# Altium PCB OPENMV4_BASE.PcbDoc
Units mil, origin at the board's own origin, x right, y up, seen from the top; angles counter-clockwise.
Board outline 1377.95 x 1757.2 mil, 2 copper layers (Top Layer, Bottom Layer); 52 components, 65 nets, 315 pads, 347 vias.
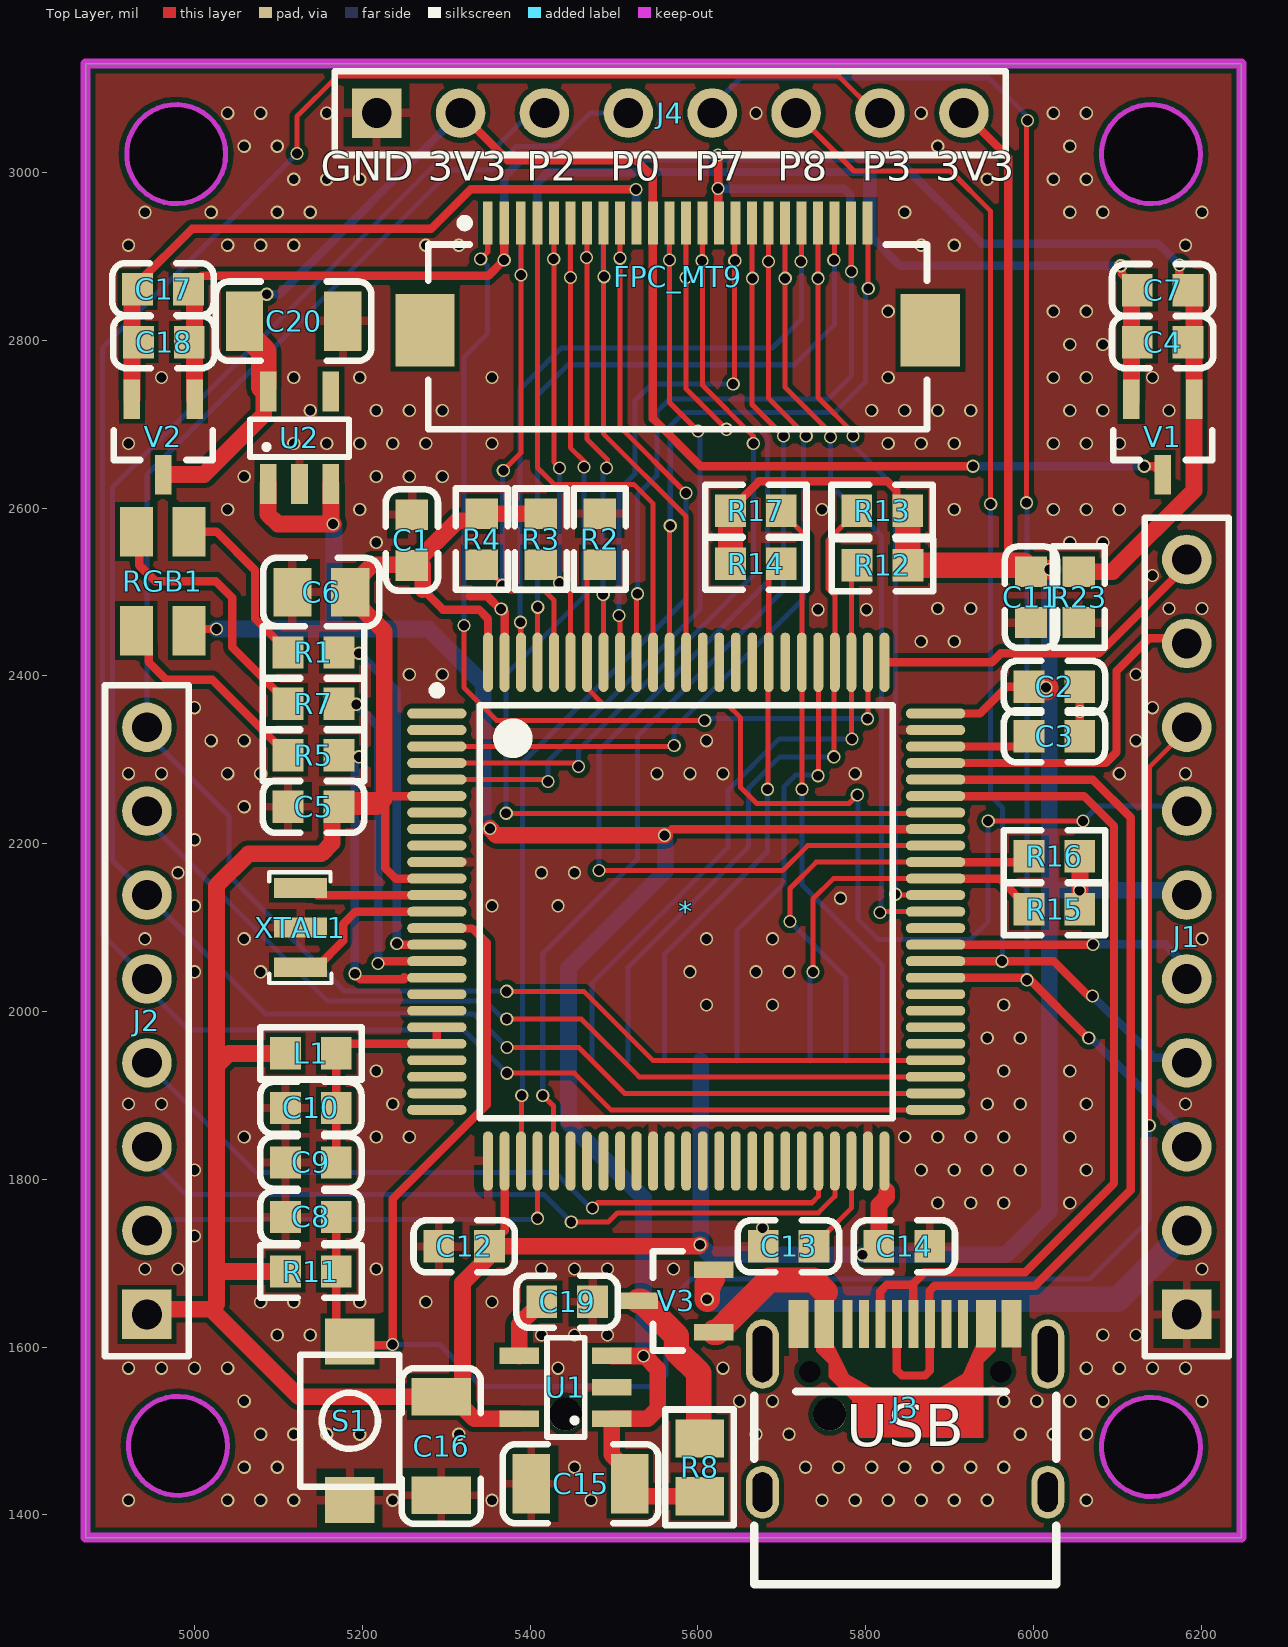
[diagram p0: Top Layer view]
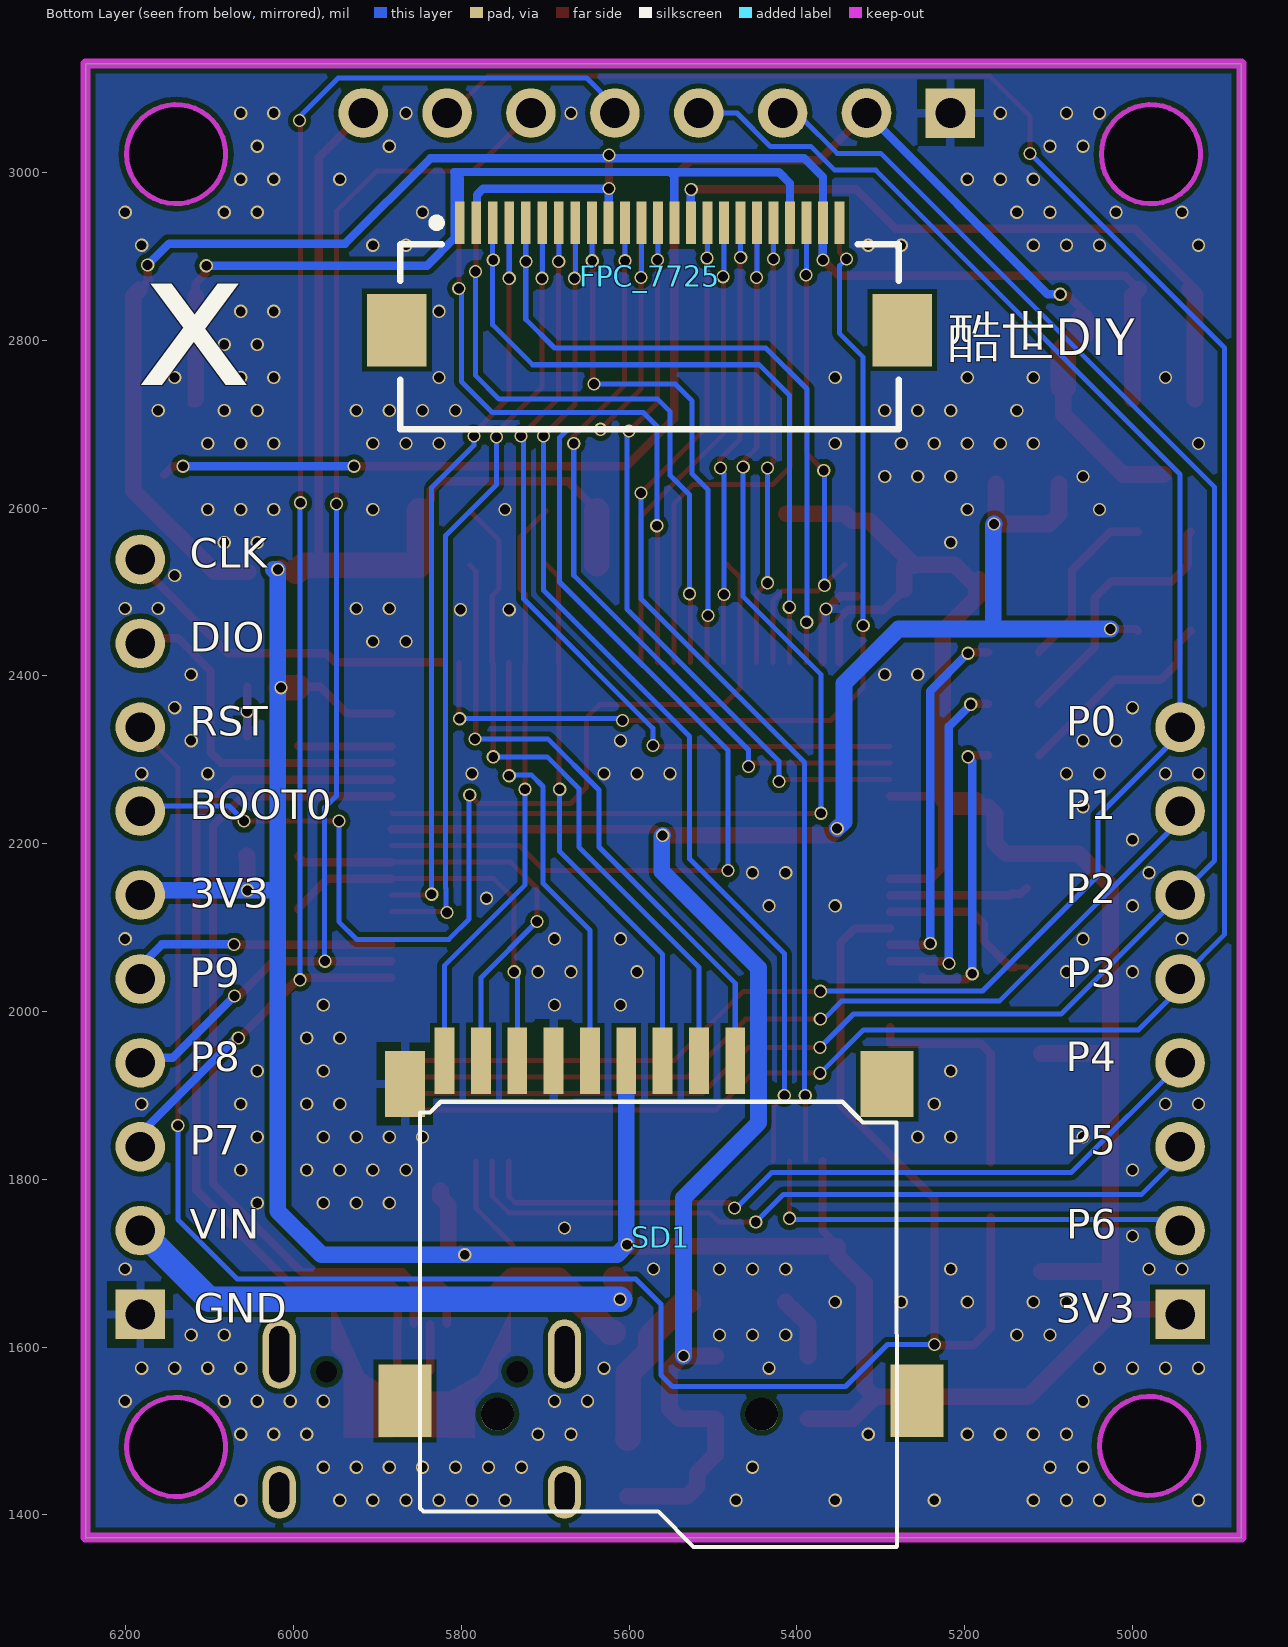
[diagram p1: Bottom Layer view, seen from below]
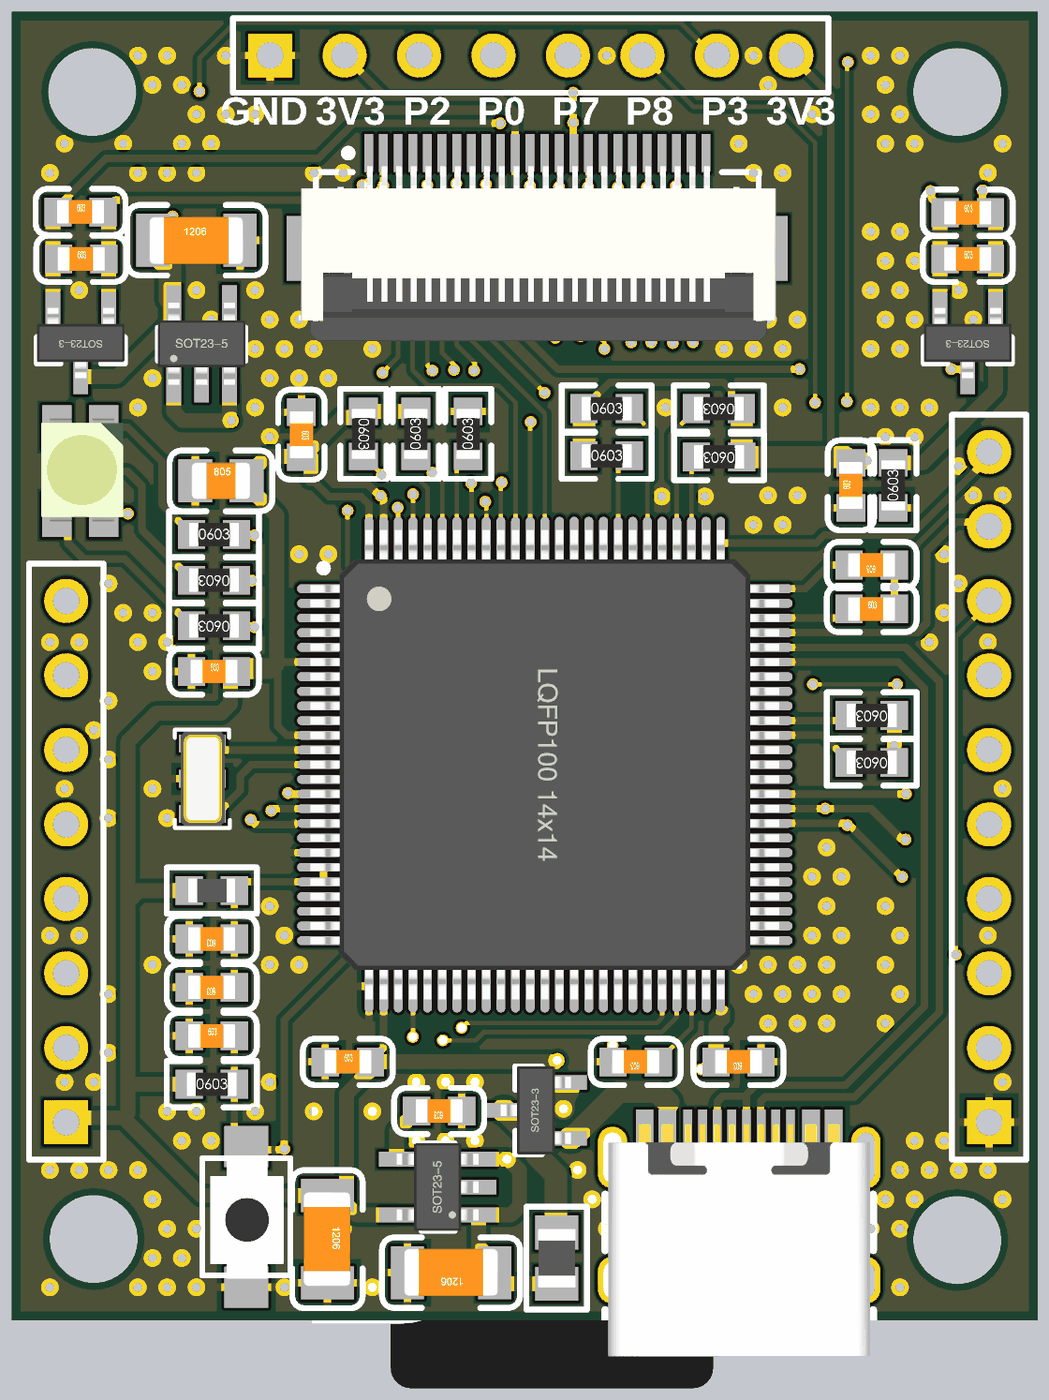
[diagram p2: 3D render of the assembled board from above, using the file's embedded part models]

## Layer stack, top to bottom
Top Solder: solder mask 0.4, Solder Resist, Dk 3.5
Top Layer: signal copper 1.4
Dielectric 1: dielectric 12.6, FR-4, Dk 4.8
Bottom Layer: signal copper 1.4
Bottom Solder: solder mask 0.4, Solder Resist, Dk 3.5

## Board outline
4870,1372.8 6247.95,1372.8 6247.95,3130 4870,3130
cut-out: 4918.94,3022 ccw(c4978,3022) 4978,2962.94 ccw(c4978,3022) 5037.06,3022 ccw(c4978,3022) 4978,3081.06 ccw(c4978,3022)
cut-out: 4920.98,1482.2 ccw(c4980.03,1482.2) 4980.03,1423.15 ccw(c4980.03,1482.2) 5039.09,1482.2 ccw(c4980.03,1482.2) 4980.03,1541.26 ccw(c4980.03,1482.2)
cut-out: 6080.9,1480.8 ccw(c6139.95,1480.8) 6139.95,1421.75 ccw(c6139.95,1480.8) 6199.01,1480.8 ccw(c6139.95,1480.8) 6139.95,1539.86 ccw(c6139.95,1480.8)
cut-out: 6080.9,3022 ccw(c6139.95,3022) 6139.95,2962.94 ccw(c6139.95,3022) 6199.01,3022 ccw(c6139.95,3022) 6139.95,3081.06 ccw(c6139.95,3022)

## Design rules (kind name [scope] priority, off if disabled: settings)
Clearance [All] p1: gap=6 ignorepadtopadclearanceinfootprint=FALSE except(0: Arc-Hole Track-Hole SMDPad-Hole THPad-Hole Via-Hole Fill-Hole Poly-Hole Region-Hole Text-Hole)
PolygonConnect [All] p1: connectstyle=Relief reliefconductorwidth=10 reliefentries=4 polygonreliefangle="90 Angle" airgapwidth=10
RoutingVias [All] p1: holewidth=11.81 width=15.75 viastyle="Through Hole" minholewidth=11.81 minwidth=15.75 maxholewidth=11.81 maxwidth=15.75
SolderMaskExpansion [All] p1: expansion=4 istentingtop=FALSE
Width [All] p1: maxlimit=30 minlimit=6 preferedwidth=10
30 further rules are at their usual default settings.

## Components (designator, comment, footprint, x,y, rotation, side; value= is the part's Value field where it differs from the comment)
* "STM32H743VIT6" "LQFP100 14x14_N" 5586,2119 r270 top
C1 "104" LC-0603_C 5259,2562 r270 top
C2 "104" LC-0603_C 6025,2387 r180 top
C3 "2.2uf" LC-0603_C 6025,2328 r0 top
C4 "104" 0603_C 6154,2798 r0 top
C5 "104" LC-0603_C 5141.66,2244 r0 top
C6 "10uF" LC-0805_C 5151,2500 r0 top
C7 "106" 0603_C 6154,2860 r0 top
C8 "104" LC-0603_C 5138.66,1755 r0 top
C9 "104" LC-0603_C 5138.66,1820 r180 top
C10 "10uF" LC-0603_C 5138.66,1885 r180 top
C11 "104" LC-0603_C 5997,2494 r90 top
C12 "104" LC-0603_C 5321.31,1720 r0 top
C13 "2.2uf" LC-0603_C 5708,1720 r180 top
C14 "104" LC-0603_C 5846,1720 r180 top
C15 "47uF" LC-1206_C 5460,1437 r180 top value=22uF/10V
C16 "47uF" LC-1206_C 5294,1482 r270 top value=22uF/10V
C17 "104" 0603_C 4962.31,2861 r0 top
C18 "106" 0603_C 4963.31,2798 r0 top
C19 "104" LC-0603_C 5444,1654 r180 top
C20 "47uF" LC-1206_C 5118,2823 r0 top value=22uF/10V
FPC_7725 "FPC_24" FPC_24 5576,2808 r180 bottom
FPC_MT9 "FPC_24" FPC_24 5575.4,2807.7 r0 top
J1 "CON10" HDR1X10 6182.73,1638.8 r90 top
J2 "CON8" HDR1X8 4943.13,1638.8 r90 top
J3 "USB type C" "USB Type-C-16Pin_A" 5847,1427 r0 top
J4 "Header 10" HDR1X8 5217,3071 r0 top
L1 "180nH" LC-0603_L 5138.66,1950 r0 top
R1 "1K" 0603_R 5141.66,2428.02 r0 top value=300R
R2 "10K" LC-0603_R 5483,2563 r90 top
R3 "10K" LC-0603_R 5412.67,2563 r90 top
R4 "10K" LC-0603_R 5342.33,2563 r270 top
R5 "1K" 0603_R 5141.66,2305.34 r180 top value=300R
R7 "1K" 0603_R 5141.66,2366.68 r180 top value=300R
R8 "1A保险丝" LC-0805_L 5602,1456.45 r90 top value=1000MA
R11 "10K" LC-0603_R 5138.66,1690 r0 top
R12 "10K" LC-0603_R 5820,2532 r180 top
R13 "10K" LC-0603_R 5819.69,2597 r180 top
R14 "10K" LC-0603_R 5669,2533.67 r0 top
R15 "10K" LC-0603_R 6025,2122 r180 top
R16 "10K" LC-0603_R 6025,2185 r180 top
R17 "10K" LC-0603_R 5669,2597 r0 top
R23 "0" LC-0603_R 6054,2494 r90 top
RGB1 "RGB_LED" LED_3528_RGB 4962,2513 r270 top
S1 "RST" KEY_1 5185,1512 r90 top
SD1 "micro SD" TF卡座 5572.11,1651.26 r270 bottom
U1 "MIC5219" SOT23-5N 5442,1552 r90 top
U2 "MIC5219" SOT23-5N 5125,2684 r0 top
V1 "XC6206 2V8" SOT23-3N 6154,2685 r180 top
V2 "XC6206 1V5" SOT23-3N 4962.72,2685 r180 top
V3 "BAT54C" SOT23-3N 5574,1655 r90 top
XTAL1 "12M" XTAL-3215-3P 5126,2100 r270 top

## Footprints (in the part's own frame and the unit in brackets; to place one, negate y for a bottom-side part, rotate by r counter-clockwise, add the part's x,y. Pads: shape width x height; smd on the part's side, far side on the other; paste and mask are expansions set on the pad)
0603_C [mm]
  rect 0.93x0.98 smd: 1(-0.77,0) 2(0.77,0)
  silkscreen extent -1.53,-0.79 1.54,0.79, body extent -0.8,-0.4 0.8,0.4, height 0.3
0603_R [mm]
  rect 0.93x0.98 smd: 1(-0.77,0) 2(0.77,0)
  silkscreen extent -1.53,-0.79 1.54,0.79, body extent -0.85,-0.4 0.85,0.4, height 0.56
FPC_24 [mm]
  rect 0.3x1.3 smd: 1(-5.739,3.359) 2(-5.239,3.359) 3(-4.739,3.359) 4(-4.239,3.359) 5(-3.739,3.359) 6(-3.239,3.359) 7(-2.739,3.359) 8(-2.239,3.359) 9(-1.739,3.359) 10(-1.239,3.359) 11(-0.739,3.359) 12(-0.239,3.359) 13(0.261,3.359) 14(0.761,3.359) 15(1.261,3.359) 16(1.761,3.359) 17(2.261,3.359) 18(2.761,3.359) 19(3.261,3.359) 20(3.761,3.359) 21(4.261,3.359) 22(4.761,3.359) 23(5.261,3.359) 24(5.761,3.359)
  rect 1.8x2.2 smd: 25(-7.639,0.109) 26(7.661,0.109)
  silkscreen extent -7.54,-2.89 7.56,3.48, body extent -8.05,-3.05 8.15,2.95, height 2
HDR1X8 [mm] "Connector; Header; 8 Position"
  rect 1.5x1.5 hole 0.9: 1(0,0)
  round 1.5 hole 0.9: 2(2.54,0) 3(5.08,0) 4(7.62,0) 5(10.16,0) 6(12.7,0) 7(15.24,0) 8(17.78,0)
  silkscreen extent -1.27,-1.27 19.05,1.27
HDR1X10 [mm] "Connector; Header; 10 Position"
  rect 1.5x1.5 hole 0.9: 1(0,0)
  round 1.5 hole 0.9: 2(2.54,0) 3(5.08,0) 4(7.62,0) 5(10.16,0) 6(12.7,0) 7(15.24,0) 8(17.78,0) 9(20.32,0) 10(22.86,0)
  silkscreen extent -1.27,-1.27 24.13,1.27
KEY_1 [mm]
  rect 1.4x1.5 smd: 1(-2.4,0) 2(2.4,0)
  silkscreen extent -2.01,-1.5 2,1.5, body extent -2.11,-1.28 1.89,1.22, height 1.6
LC-0603_C [mm]
  rect 0.93x0.98 smd: 1(-0.77,0) 2(0.77,0)
  silkscreen extent -1.53,-0.79 1.54,0.79, body extent -0.8,-0.4 0.8,0.4, height 0.3
LC-0603_L [mm]
  rect 0.93x0.98 smd: 1(-0.77,0) 2(0.77,0)
  silkscreen extent -1.53,-0.79 1.54,0.79, body extent -0.82,-0.41 0.83,0.41, height 0.46
LC-0603_R [mm]
  rect 0.93x0.98 smd: 1(-0.77,0) 2(0.77,0)
  silkscreen extent -1.53,-0.79 1.54,0.79, body extent -0.85,-0.4 0.85,0.4, height 0.56
LC-0805_C [mm]
  rect 1.16x1.47 smd: 1(-0.875,0) 2(0.875,0)
  silkscreen extent -1.76,-1.04 1.76,1.04, body extent -1,-0.62 1,0.63, height 0.77
LC-0805_L [mm]
  rect 1.16x1.47 smd: 1(-0.875,0) 2(0.875,0)
  silkscreen extent -1.76,-1.04 1.76,1.03, body extent -1.02,-0.64 1.03,0.64, height 0.6
LC-1206_C [mm]
  rect 1.13x1.8 smd: 1(-1.49,0) 2(1.49,0)
  silkscreen extent -2.36,-1.2 2.35,1.2, body extent -1.6,-0.81 1.6,0.79, height 1
LED_3528_RGB [mm]
  rect 1.5x1 smd: 1(1.5,-0.8) 2(-1.5,-0.8) 3(-1.5,0.8) 4(1.5,0.8)
  body extent -1.79,-1.34 1.71,1.46, height 1.9
"LQFP100 14x14_N" [mm] "100脚，体宽14x14mm，脚距0.5mm"
  oval 0.3x1.8 smd: 1(-6,-7.55) 2(-5.5,-7.55) 3(-5,-7.55) 4(-4.5,-7.55) 5(-4,-7.55) 6(-3.5,-7.55) 7(-3,-7.55) 8(-2.5,-7.55) 9(-2,-7.55) 10(-1.5,-7.55) 11(-1,-7.55) 12(-0.5,-7.55) 13(0,-7.55) 14(0.5,-7.55) 15(1,-7.55) 16(1.5,-7.55) 17(2,-7.55) 18(2.5,-7.55) 19(3,-7.55) 20(3.5,-7.55) 21(4,-7.55) 22(4.5,-7.55) 23(5,-7.55) 24(5.5,-7.55) 25(6,-7.55) 51(6,7.55) 52(5.5,7.55) 53(5,7.55) 54(4.5,7.55) 55(4,7.55) 56(3.5,7.55) 57(3,7.55) 58(2.5,7.55) 59(2,7.55) 60(1.5,7.55) 61(1,7.55) 62(0.5,7.55) 63(0,7.55) 64(-0.5,7.55) 65(-1,7.55) 66(-1.5,7.55) 67(-2,7.55) 68(-2.5,7.55) 69(-3,7.55) 70(-3.5,7.55) 71(-4,7.55) 72(-4.5,7.55) 73(-5,7.55) 74(-5.5,7.55) 75(-6,7.55)
  oval 1.8x0.3 smd: 26(7.55,-6) 27(7.55,-5.5) 28(7.55,-5) 29(7.55,-4.5) 30(7.55,-4) 31(7.55,-3.5) 32(7.55,-3) 33(7.55,-2.5) 34(7.55,-2) 35(7.55,-1.5) 36(7.55,-1) 37(7.55,-0.5) 38(7.55,0) 39(7.55,0.5) 40(7.55,1) 41(7.55,1.5) 42(7.55,2) 43(7.55,2.5) 44(7.55,3) 45(7.55,3.5) 46(7.55,4) 47(7.55,4.5) 48(7.55,5) 49(7.55,5.5) 50(7.55,6) 76(-7.55,6) 77(-7.55,5.5) 78(-7.55,5) 79(-7.55,4.5) 80(-7.55,4) 81(-7.55,3.5) 82(-7.55,3) 83(-7.55,2.5) 84(-7.55,2) 85(-7.55,1.5) 86(-7.55,1) 87(-7.55,0.5) 88(-7.55,0) 89(-7.55,-0.5) 90(-7.55,-1) 91(-7.55,-1.5) 92(-7.55,-2) 93(-7.55,-2.5) 94(-7.55,-3) 95(-7.55,-3.5) 96(-7.55,-4) 97(-7.55,-4.5) 98(-7.55,-5) 99(-7.55,-5.5) 100(-7.55,-6)
  silkscreen extent -6.82,-7.67 6.25,6.25, body extent -8,-8 8,8, height 1.45
SOT23-3N [mm] "3x1.3x1mm(长宽高)"
  rect 0.5x1.2 smd: 1(-0.95,-1.143) 2(0.95,-1.143) 3(0,1.143)
  silkscreen extent -1.5,-0.2 1.5,0.7, body extent -1.5,-1.2 1.5,1.2, height 1.05
SOT23-5N [mm] "3x1.6x1.1mm(长宽高)"
  rect 0.5x1.2 smd: 1(-0.95,-1.4) 2(0,-1.4) 3(0.95,-1.4) 4(0.95,1.4) 5(-0.95,1.4)
  silkscreen extent -1.5,-0.58 1.5,0.56, body extent -1.5,-1.4 1.5,1.4, height 1.15
TF卡座 [mm]
  round 1 hole 1 unplated: 0(3.334,-4.696) 0(3.334,3.305)
  rect 2x0.6 smd: 1(-7.366,2.505) 2(-7.366,1.405) 3(-7.366,0.305) 4(-7.366,-0.795) 5(-7.366,-1.895) 6(-7.366,-2.995) 7(-7.366,-4.095) 8(-7.366,-5.195) 9(-7.366,-6.295)
  rect 2x1.2 smd: 10(-6.666,-7.495)
  rect 2.2x1.6 smd: 11(2.934,-7.495) 12(2.934,8.005)
  rect 2x1.6 smd: 13(-6.666,7.105)
  silkscreen extent -6.12,-7.04 7.35,7.4, body extent -7.82,-7.8 9.38,8.3, height 3.2
"USB Type-C-16Pin_A" [mm]
  round 0 hole 0.65: 0(-2.89,3.65) 0(2.89,3.65)
  oval 1x1.6 hole 0.6 slot 1.2 at 90 deg: 1(-4.32,0) 1(4.32,0)
  oval 1x2.1 hole 0.6 slot 1.7 at 90 deg: 1(-4.32,4.18) 1(4.32,4.18)
  rect 0.3x1.45 smd: A1(-3.375,5.092) A4(-2.6,5.092) A5(-1.25,5.092) A6(-0.25,5.092) A7(0.25,5.092) A8(-1.75,5.092) A9(2.6,5.1) A12(3.375,5.1) B1(3.075,5.1) B4(2.3,5.1) B5(1.75,5.092) B6(0.75,5.092) B7(-0.75,5.092) B8(1.25,5.092) B9(-2.3,5.092) B12(-3.075,5.092)
  silkscreen extent -4.57,-2.79 4.57,3.05, body extent -4.47,-2.6 4.47,5.3, height 3.25
XTAL-3215-3P [mm]
  rect 0.6x1.6 smd: 1(-1.2,0) 2(0,0) 3(1.2,0)
  silkscreen extent -1.68,-0.94 1.68,0.94, body extent -1.6,-0.74 1.6,0.76, height 0.9

## Part data
C1 C2 C3 C4 C5 C6 C7 C8 C9 C10 C11 C12 C13 C14 C17 C18: library part CAP
C15 C16 C20: library part "Cap Pol1", "Polarized Capacitor (Radial)", LatestRevisionDate=17-Jul-2002, LatestRevisionNote="Re-released for DXP Platform.", PackageReference=RB7.6-15, Published=8-Jun-2000, Publisher="Altium Limited"
C19: library part CAP104
J3: library part USB_C
J4: "Header, 10-Pin"
L1: library part Inductor
R1 R5 R7 R8: library part Res2, "Resistor", LatestRevisionDate=17-Jul-2002, LatestRevisionNote="Re-released for DXP Platform.", PackageReference=AXIAL-0.4, Published=8-Jun-2000, Publisher="Altium Limited"
R2 R3 R4 R11 R12 R13 R14 R15 R16 R17 R23: library part RES
RGB1: "三色高亮LED"
S1: library part SW-PB, "Switch", LatestRevisionDate=17-Jul-2002, LatestRevisionNote="Re-released for DXP Platform.", PackageDescription="Switch; 2 Leads", PackageReference=SPST-2, Published=24-Mar-1999, Publisher="Altium Limited"
U1 U2: "3.3V 降压芯片"
V1 V2: library part XC6206P332MR, "低压差线性稳压芯片", BOM名称=低压差线性稳压芯片, 学习资源=www.ooocke.com, 版权归属=源创客
XTAL1: library part XTAL_3P

## Via types
v1: diameter 15.75, hole 11.81, Top Layer to Bottom Layer, 347 vias

## Nets (pads, with @x,y where several pads share a name; then routed paths per layer and width w, separated by ;. In a path a pad name is that pad's centre, name@x,y a point inside that pad or via, vN(x,y) a via of type N, cw(c..) or ccw(c..) an arc to the next point about the centre after c; other vN are vias at no path point)
1V5: C17.1 C18.1 FPC_7725.15 V2.2 | length 821.1
  Top Layer w10: C17.1 4932,2868.14 4996.86,2933 5282,2933 5329,2980 v1(5526,2980)
  Top Layer w20: V2.2 4925.47,2730.16 4925.47,2854.47 C17.1
  Bottom Layer w10: v1(5526,2980) 5526.37,2979.63 FPC_7725.15
2V8: C4.1 C7.1 FPC_7725.1 FPC_7725.14 FPC_7725.21 V1.2 | length 1138
  Top Layer w10: v1(6104,2889) 6105.1,2887.9 6105.1,2879.57 6116.76,2867.91 C7.1@6116.76,2853.07 ; V1.2 V1.2@6121.44,2725.16
  Top Layer w20: V1.2 6116.76,2730.16 C7.1@6116.76,2853.07
  Bottom Layer w10: FPC_7725.21 5408.26,2987.26 5421.43,3000.43 5550.43,3000.43 ; FPC_7725.14@5546.53,2939.78 FPC_7725.14 5546.06,2996.06 5550.43,3000.43 ; FPC_7725.1 5801.96,2993.96 5808,3000 ; v1(6104,2889) 5841,2889 5808,2922 5808,3000 ; 5550.43,3000.43 5550.76,3000.76 5808.76,3000.76 5808,3000
3V3: *.6 *.11 *.27 *.50 *.75 *.100 C1.2 C2.2 C5.2 C6.2 C11.2 C12.2 C14.2 C16.1 J1.6 J2.1 J4.8 L1.1 R3.2 R4.1 R11.1 R12.1 R13.1 R14.1 R15.1 R16.1 R17.1 SD1.4 U1.5 | length 6010.6
  Top Layer w6: v1(5796,1710) 5796,1713.52 5801.08,1718.6 5807.69,1712 C14.2
  Top Layer w10: C5.2 5184.77,2256.79 5226,2256.79 *.6 ; 5226,2253 5227,2252 5227,2171 5239.64,2158.36 *.11 ; 5272,2503 5296,2479 5339,2479 5349.78,2468.22 *.100 ; C12.2 5351.63,1720.98 5369.46,1738.82 *.27 ; R17.1 5638.69,2597.98 5672.7,2632 5826,2632 5836.69,2621.31 5836.69,2610.31 R13.1 ; *.75 5936.21,2355.21 5968,2387 C2.2 ; J4.8 5970,3018 5970,2532
  Top Layer w20: J2.1@4926,1645 5020,1645 ; R11.1 5028,1690 5026,1692 ; L1.1 5041,1950 5026,1935 ; C6.2@5183,2496.35 5226,2453.35 5226,2256.79 ; C6.2@5183,2515 5183,2502.45 C6.2 ; C6.2@5185.45,2506.1 5212.03,2532.68 C1.2@5260.98,2532.68 ; 5226,2253 5217,2244 C5.2 5163.67,2235.69 5163.67,2200.67 5151,2188 5064,2188 5026,2150 5026,1935 ; C1.2 5259.98,2531.68 C1.2@5260.98,2532.68 ; 5272,2503 C1.2@5272,2531.68 ; U1.5 5333.25,1514.6 C16.1@5307.19,1540.66 ; R3.2 R4.1 5334.03,2585.01 5313.31,2585.01 C1.2@5260.98,2532.68 ; v1(5602.58,1721.97) 5600.62,1720 C12.2 5351.63,1708.63 5319.43,1676.43 5319.43,1552.91 C16.1@5307.19,1540.66 ; C14.2 5815.69,1769.29 5825,1778.61 5825,1786 ; C11.2 5997.69,2525 6018.71,2525 C11.2@6015,2528.71 ; v1@6055.31,2144.4 R16.1 R16.1@6056,2185.69 ; J1.6@6179.73,2145.59 J1.6@6182.73,2145.59 ; 5020,1645 5026,1651 5026,1692 ; 5020,1645 5124.34,1540.66 C16.1 C16.1@5307.19,1540.66 ; 5026,1692 5026,1935
  Top Layer w30: R14.1 R17.1 ; R13.1 5850.16,2596.84 5850.16,2532.16 R12.1 5970,2532 5988.33,2532 5996.02,2524.32 C11.2 ; C2.2 5995.69,2386 v1(6015,2386)
  Bottom Layer w20: SD1.4 5603.42,1722.8 v1(5602.58,1721.97) 5614.55,1710 v1(5796,1710) 5967,1710 6018.78,1761.78 6018.78,2144.4 ; v1@6024.03,2527.03 v1(6018.78,2527.03) 6018.78,2144.4 ; J1.6@6192,2145 6191.4,2144.4 v1(6055,2144.4) 6018.78,2144.4
3V3_SENSOR: C20.1 FPC_MT9.11 J4.2 U2.5 V1.3 V2.3 | length 1822.8
  Top Layer w10: C20.1 5059.34,2836.19 5076.58,2853.43 5082.88,2853.43 5084.44,2855 v1(5086,2855) ; J4.2 5373,3015 5526,3015 5546.29,2994.71 FPC_MT9.11 5546.29,2706.71 5603,2650 v1(5928,2650) ; v1(6132,2650) 6144,2650 V1.3
  Top Layer w20: V2.3 5011,2640 5082.44,2711.44 U2.5@5082.44,2744.28
  Top Layer w30: C20.1 5059.34,2809.81 5082.44,2786.71 U2.5@5082.44,2744.28
  Bottom Layer w10: v1(5086,2855) 5101,2855 J4.2 ; v1(5928,2650) v1(6132,2650)
5V_IN: J3.A4 J3.A9 J3.B4 J3.B9 V3.1 | length 164.6
  Top Layer w30: V3.1 5622.51,1617.6 5647,1642.09 ; 5647,1642.13 5684.57,1679.71 5737.84,1679.71 5752.02,1665.53
ALL_IN: R8.2 V3.3 | length 196.4
  Top Layer w30: V3.3 5532.46,1655 5574.38,1613.09 5574.38,1595.46 5601,1568.84 5601,1491.9 R8.2
BOOT0: *.94 J1.7 R2.1 | length 1280.9
  Top Layer w6: R2.1 5467.89,2517.57 *.94 5467.89,2385.32 5487.21,2366 5635,2366 5651,2350 5651,2267 5670,2248 5780,2248 v1(5790,2258) ; v1(5946,2227) v1(6059,2227)
  Bottom Layer w6: v1(5790,2258) 5791,2257 5791,2110 5815,2086 5925,2086 5946,2107 v1(5946,2227) ; v1(6059,2227) 6077,2245 J1.7@6192,2245
DAC: *.29 J2.2 | length 554.6
  Top Layer w6: v1(5408.67,1753.39) 5408.83,1753.56 *.29
  Bottom Layer w6: J2.2@4926,1745 4933.13,1752.13 5407.41,1752.13 v1(5408.67,1753.39)
"DCMI CLK": *.67 FPC_7725.12 FPC_MT9.13 | length 1397.2
  Top Layer w6: v1(5482,2168) 5701,2168 5730.73,2197.73 *.67 ; FPC_MT9.13 5585.66,2742.34 v1(5634,2694)
  Bottom Layer w6: v1(5482,2168) 5482,2311 5682.87,2511.87 5682.87,2683.99 5672.86,2694 v1(5634,2694) ; FPC_7725.12 5585.43,2875.57 v1(5586,2875)
"DCMI D0": *.63 FPC_7725.6 FPC_MT9.19 | length 1003.3
  Top Layer w6: FPC_MT9.19 5703.77,2744.23 5758,2690 v1(5758,2685) ; v1(5817.06,2118.1) 5817.96,2119 *.63
  Bottom Layer w6: FPC_7725.6 5703.54,2874.46 v1(5704,2874) ; v1(5758,2685) 5758,2628.01 5818.87,2567.13 5818.87,2147.11 5818.48,2146.72 5818.48,2119.52 v1(5817.06,2118.1)
"DCMI D1": *.64 FPC_7725.4 FPC_MT9.21 | length 953
  Top Layer w6: FPC_MT9.21 5743.14,2731.86 5785,2690 v1(5785,2686) ; v1(5835.36,2139.73) 5836.41,2138.68 *.64
  Bottom Layer w6: FPC_7725.4 5742.91,2874.09 v1(5743,2874) ; v1(5785,2686) 5785,2675 5835.36,2624.64 v1(5835.36,2139.73)
"DCMI D2": *.97 FPC_7725.3 FPC_MT9.22 | length 873
  Top Layer w6: *.97 5408.83,2481.83 v1(5409,2482) ; v1(5762,2896) 5762.83,2896.83 FPC_MT9.22
  Bottom Layer w6: v1(5409,2482) 5409,2735 5445,2771 5715,2771 5762.59,2818.59 FPC_7725.3
"DCMI D3": *.98 FPC_7725.5 FPC_MT9.20 | length 857.1
  Top Layer w6: v1(5388.34,2464) 5388.74,2463.59 5388.74,2416.64 *.98 ; v1(5723,2894) 5723.46,2894.46 FPC_MT9.20
  Bottom Layer w6: v1(5388.34,2464) 5388,2464.34 5388,2742 5437,2791 5689,2791 5723.22,2825.22 FPC_7725.5
"DCMI D4": *.3 FPC_7725.7 FPC_MT9.18 | length 1036.3
  Top Layer w6: *.3 5570.28,2315.84 v1(5571.67,2317.24) ; FPC_MT9.18 5684.09,2730.91 v1(5729,2686)
  Bottom Layer w6: v1(5571.67,2317.24) 5571.67,2337.67 5725.87,2491.87 5725.87,2682.87 v1(5729,2686) ; FPC_7725.7 5683.85,2894.15 v1(5684,2894)
"DCMI D5": *.92 FPC_7725.9 FPC_MT9.16 | length 684
  Top Layer w6: v1(5506,2472) 5507.26,2470.74 *.92 ; v1(5642,2748) 5643.36,2749.36 5643.36,2938.59 FPC_MT9.16
  Bottom Layer w6: v1(5506,2472) 5506,2622 5525,2641 5525,2728 5545,2748 v1(5642,2748) ; v1(5644,2895) 5644.48,2895.48 FPC_7725.9
"DCMI D6": *.4 FPC_7725.11 FPC_MT9.14 | length 979
  Top Layer w6: *.4 5453.54,2296.16 v1(5457.77,2291.93) ; FPC_MT9.14 5605.35,2746.52 5666,2685.86 v1(5666,2677)
  Bottom Layer w6: v1(5457.77,2291.93) 5457.77,2311.77 5666,2520 v1(5666,2677) ; v1(5605,2895) 5605.11,2895.11 FPC_7725.11 FPC_7725.11@5607.62,2937.75
"DCMI D7": *.5 FPC_7725.13 FPC_MT9.12 | length 935.3
  Top Layer w6: *.5 5418.88,2276.47 v1(5421.3,2274.06) ; FPC_MT9.12 5565.98,2726.02 v1(5600,2692)
  Bottom Layer w6: v1(5421.3,2274.06) 5421.3,2298.3 5602.59,2479.59 5602.59,2689.41 v1(5600,2692) ; FPC_7725.13@5564.87,2939.38 FPC_7725.13 5565.74,2896.26 v1(5566,2896)
"DCMI HSYNC": *.28 FPC_7725.16 FPC_MT9.9 | length 1274.6
  Top Layer w6: *.28 5389.57,1822.17 5389.57,1899.57 v1(5390,1900) ; FPC_MT9.9 5506.92,2696.96 v1(5585.71,2618.17)
  Bottom Layer w6: v1(5390,1900) 5390.73,1900.73 5390.73,2296.73 5585.71,2491.71 v1(5585.71,2618.17) ; FPC_7725.16 5506.69,2898.31 v1(5507,2898)
"DCMI PCLK": *.30 FPC_7725.8 FPC_MT9.17 | length 1324.9
  Top Layer w6: v1(5415,1900) 5427.76,1887.24 5427.76,1822.51 *.30 ; FPC_MT9.17 5664.4,2723.6 v1(5702,2686)
  Bottom Layer w6: v1(5415,1900) 5415,2069 5528,2182 5528,2328 5702,2502 v1(5702,2686) ; FPC_7725.8 5664.17,2874.83 v1(5665,2874)
"DCMI PWDN": *.88 FPC_7725.17 FPC_MT9.8 | length 629.3
  Top Layer w6: FPC_MT9.8 5487.24,2688.76 5586,2590 *.88
  Bottom Layer w6: FPC_7725.17 5487,2877 v1(5488,2876)
"DCMI RST": *.69 FPC_7725.19 FPC_MT9.6 | length 1327.3
  Top Layer w6: v1(5371.42,2236.29) 5371.71,2236 5882.14,2236 *.69 ; FPC_MT9.6 5447.87,2672.13 5465.01,2654.99 5465.01,2650.01 v1(5464,2649)
  Bottom Layer w6: v1(5371.42,2236.29) 5371.42,2402 5464,2494.58 v1(5464,2649) ; FPC_7725.19 5447.63,2875.37 v1(5448,2875)
"DCMI VSYNC": *.93 FPC_7725.18 FPC_MT9.7 | length 577.5
  Top Layer w6: FPC_MT9.7 5467.55,2682.45 5492,2658 5492,2649 v1(5491,2648) ; v1(5487,2497) 5487.57,2496.43 *.93
  Bottom Layer w6: v1(5467,2899) 5467.32,2899.32 FPC_7725.18 ; v1(5487,2497) 5487,2641.36 5491,2645.36 v1(5491,2648)
DGND: C4.2 C7.2 C17.2 C18.2 FPC_7725.2 FPC_7725.10 FPC_7725.23 FPC_MT9.2 FPC_MT9.15 R23.2 V1.1 V2.1 | length 2306.4
  Top Layer w10: C17.2 5008.63,2877 5350,2877 v1(5369,2896) 5369.13,2896.13 FPC_MT9.2 ; v1(5624,3021) v1(5624,2980.99) 5624,2940.98 FPC_MT9.15 ; v1(6173.95,2889.95) 6173.95,2874.26 6172,2872.32 C7.2
  Top Layer w20: C17.2 4999.96,2853.67 4999.96,2730.16 V2.1 ; R23.2 6094.41,2524.32 6191.24,2621.15 6191.24,2853.07 C7.2
  Bottom Layer w10: v1(5369,2896) 5368.95,2896.05 5368.95,2940.2 FPC_7725.23 5368.89,2994.89 5391,3017 5837,3017 5938.55,2915.45 6148.45,2915.45 v1(6173.95,2889.95) ; FPC_7725.10 5624.4,2940.65 5624.4,2980.59 v1(5624,2980.99) 5774,2981 5781.37,2973.63 5781.37,2941.16 FPC_7725.2
GND: *.10 *.19 *.26 *.36 *.49 *.74 *.99 C1.1 C2.1 C3.2 C5.1 C6.1 C8.1 C9.2 C10.2 C11.1 C12.1 C13.2 C14.1 C15.2 C16.2 C19.1 C20.2 J1.1 J3.A1 J3.A12 J3.B1 J3.B12 J4.1 R2.2 R23.1 S1.1 SD1.6 SD1.10 U1.2 U2.2 XTAL1.2 | length 168.3
  Top Layer w10: 5327.78,2495 5348.86,2495 5363.89,2479.97 v1(5365.44,2479.97) 5369.46,2475.95 *.99 ; C3.2 v1(6055.31,2357.5) C2.1
  other v1: 4921.26,1417.32 5039.37,1417.32 5078.74,1417.32 5118.11,1417.32 5236.22,1417.32 5354.33,1417.32 5472.44,1417.32 5748.03,1417.32 5787.4,1417.32 5826.77,1417.32 5866.14,1417.32 5905.52,1417.32 5944.89,1417.32 6063,1417.32 5059.06,1456.69 5098.43,1456.69 5452.76,1456.69 5728.35,1456.69 5767.72,1456.69 5807.09,1456.69 5846.46,1456.69 5885.83,1456.69 5925.2,1456.69 5964.57,1456.69 5078.74,1496.06 5118.11,1496.06 5157.48,1496.06 5196.85,1496.06 5314.96,1496.06 5669.29,1496.06 5708.66,1496.06 5984.26,1496.06 6023.63,1496.06 6063,1496.06 5059.06,1535.43 5649.61,1535.43 5688.98,1535.43 5964.57,1535.43 6003.94,1535.43 6043.31,1535.43 6082.68,1535.43 6200.79,1535.43 4921.26,1574.8 4960.63,1574.8 5000,1574.8 5039.37,1574.8 5433.07,1574.8 5629.92,1574.8 6063,1574.8 6102.37,1574.8 6141.74,1574.8 6181.11,1574.8 5098.43,1614.17 5137.8,1614.17 5413.39,1614.17 5452.76,1614.17 5492.13,1614.17 6082.68,1614.17 6122.05,1614.17 5078.74,1653.54 5118.11,1653.54 5196.85,1653.54 5275.59,1653.54 5354.33,1653.54 4940.95,1692.91 4980.32,1692.91 5216.54,1692.91 5413.39,1692.91 5452.76,1692.91 5492.13,1692.91 5570.87,1692.91 6200.79,1692.91 5000,1732.28 5677,1742 5885.83,1771.65 5925.2,1771.65 5964.57,1771.65 6043.31,1771.65 5000,1811.02 5866.14,1811.02 5905.52,1811.02 5944.89,1811.02 5984.26,1811.02 6063,1811.02 5059.06,1850.39 5216.54,1850.39 5255.91,1850.39 5846.46,1850.39 5885.83,1850.39 5925.2,1850.39 5964.57,1850.39 6043.31,1850.39 4921.26,1889.76 4960.63,1889.76 5236.22,1889.76 5944.89,1889.76 5984.26,1889.76 6063,1889.76 6181.11,1889.76 5216.54,1929.13 5964.57,1929.13 6043.31,1929.13 5944.89,1968.51 5984.26,1968.51 5610.24,2007.88 5688.98,2007.88 5964.57,2007.88 5000,2047.25 5078.74,2047.25 5590.55,2047.25 5669.29,2047.25 5708.66,2047.25 4940.95,2086.62 5059.06,2086.62 5610.24,2086.62 5688.98,2086.62 6200.79,2086.62 5000,2125.99 5354.33,2125.99 5433.07,2125.99 5770,2135 4980.32,2165.36 5413.39,2165.36 5452.76,2165.36 5000,2204.73 5059.06,2244.1 4921.26,2283.47 4960.63,2283.47 5039.37,2283.47 5078.74,2283.47 5551.18,2283.47 5590.55,2283.47 5629.92,2283.47 5787.4,2283.47 6102.37,2283.47 6181.11,2283.47 5019.69,2322.84 5059.06,2322.84 5610.24,2322.84 6122.05,2322.84 5000,2362.21 6141.74,2362.21 5255.91,2401.58 5295.28,2401.58 6122.05,2401.58 5866.14,2440.95 5905.52,2440.95 5743,2479 5801,2479 5885.83,2480.32 5925.2,2480.32 6161.42,2480.32 6200.79,2480.32 6141.74,2519.69 5216.54,2559.06 6043.31,2559.06 6082.68,2559.06 5039.37,2598.43 5196.85,2598.43 5748.03,2598.43 5905.52,2598.43 6023.63,2598.43 6063,2598.43 6102.37,2598.43 5059.06,2637.8 5216.54,2637.8 5255.91,2637.8 5295.28,2637.8 4921.26,2677.17 5118.11,2677.17 5157.48,2677.17 5196.85,2677.17 5236.22,2677.17 5275.59,2677.17 5354.33,2677.17 5826.77,2677.17 5866.14,2677.17 5905.52,2677.17 6023.63,2677.17 6063,2677.17 6102.37,2677.17 5137.8,2716.54 5216.54,2716.54 5255.91,2716.54 5295.28,2716.54 5807.09,2716.54 5846.46,2716.54 5885.83,2716.54 5925.2,2716.54 6043.31,2716.54 6082.68,2716.54 6161.42,2716.54 4960.63,2755.91 5118.11,2755.91 5196.85,2755.91 5354.33,2755.91 5826.77,2755.91 6023.63,2755.91 6063,2755.91 6141.74,2755.91 6043.31,2795.28 6082.68,2795.28 5826.77,2834.65 6023.63,2834.65 6063,2834.65 4921.26,2913.39 5039.37,2913.39 5078.74,2913.39 5118.11,2913.39 5275.59,2913.39 5314.96,2913.39 5866.14,2913.39 5905.52,2913.39 6181.11,2913.39 4940.95,2952.76 5019.69,2952.76 5098.43,2952.76 5137.8,2952.76 5846.46,2952.76 6043.31,2952.76 6082.68,2952.76 6200.79,2952.76 5118.11,2992.13 5157.48,2992.13 5196.85,2992.13 5944.89,2992.13 6023.63,2992.13 6063,2992.13 5059.06,3031.5 5098.43,3031.5 5885.83,3031.5 6043.31,3031.5 5039.37,3070.87 5078.74,3070.87 5157.48,3070.87 5669.29,3070.87 5866.14,3070.87 6023.63,3070.87 6063,3070.87
I2C1_SCL: *.95 FPC_7725.20 FPC_MT9.5 R3.1 | length 575.4
  Top Layer w6: FPC_MT9.5 5428.18,2654.82 v1(5435,2648) ; v1@5435.17,2511.17 5448.2,2498.13 *.95
  Bottom Layer w6: FPC_7725.20 5427.95,2897.05 v1(5428,2897) ; v1(5435,2511) v1(5435,2648)
I2C1_SDA: *.96 FPC_7725.22 FPC_MT9.3 R4.2 | length 681.1
  Top Layer w6: R4.2 5343.32,2532.68 5375,2501 5417.67,2501 5428.52,2490.15 *.96 ; v1(5368,2645) 5388.81,2665.81 FPC_MT9.3
  Bottom Layer w6: v1(5367,2508) 5367,2644 v1(5368,2645) ; FPC_7725.22 5388.58,2878.42 v1(5389,2878)
I2C2_SCL: *.46 J2.4 | length 939.6
  Top Layer w6: v1(5474.22,1765.8) 5480.42,1772 5735.85,1772 5743.48,1779.63 *.46
  Bottom Layer w6: J2.4@4926,1945 4936,1945 5073,1808 5430,1808 5472.2,1765.8 v1(5474.22,1765.8)
I2C2_SDA: *.47 J2.3 | length 931.8
  Top Layer w6: v1(5449,1749) 5449.08,1748.92 5492.92,1748.92 5504,1760 5743.54,1760 5763.17,1779.63 *.47
  Bottom Layer w6: J2.3@4926,1845 4989,1782 5416,1782 v1(5449,1749)
"LED B": *.17 R5.1 | length 344.7
  Top Layer w10: R5.1 v1@5194.25,2305.34 ; v1(5191,2045) 5197.65,2038.35 5249.8,2038.35 5249.8,2040.83 ; 5249.57,2040.6 5249.8,2040.83 ; 5249.8,2040.83 5249.97,2041 5249.8,2041.17 5249.8,2040.83
  Bottom Layer w10: v1(5191,2045) 5191,2298 v1@5194,2301
  other v1: 5196,2303.59
"LED G": *.16 R7.1 | length 412.3
  Top Layer w10: R7.1 5192.14,2366.68 v1(5192.69,2366.13) ; v1(5218.55,2057.22) 5221.37,2060.04 5288.65,2060.04 *.16
  Bottom Layer w10: v1(5192.69,2366.13) 5218.9,2339.92 5218.9,2057.57 v1(5218.55,2057.22)
"LED R": *.15 R1.2 | length 434
  Top Layer w10: R1.2 5194.98,2428.02 v1(5196,2427) ; v1@5242.38,2079.62 *.15
  Bottom Layer w10: v1@5197,2426 5241,2382 v1(5241,2081)
Net*_12: *.12 XTAL1.1 | length 166.3
  Top Layer w10: XTAL1.1 5132.81,2140.43 5144.25,2140.43 5146,2138.68 *.12
Net*_13: *.13 XTAL1.3 | length 201.9
  Top Layer w6: XTAL1.3 XTAL1.3@5140.38,2052.76
  Top Layer w10: XTAL1.3@5140.38,2052.76 5145.69,2052.76 5177,2084.07 5177,2104 5191.99,2118.99 *.13
Net*_20: *.20 *.21 C9.1 C10.1 L1.2 | length 274.2
  Top Layer w10: C9.1 C10.1 L1.2 5180.49,1961.51 *.21 *.20
Net*_48: *.48 C13.1 | length 120.2
  Top Layer w6: C13.1 5738.31,1720.98 5782.85,1765.52 *.48
Net*_73: *.73 C3.1 | length 111.9
  Top Layer w10: *.73 5993.53,2315.84 C3.1@5994.68,2317
NetC19_2: C19.2 U1.4 | length 76.3
  Top Layer w20: U1.4 5386.88,1627.2 5404.39,1644.71 5405.38,1644.71 5413.69,1653.02 C19.2
NetR1_1: R1.1 RGB1.3 | length 211.9
  Top Layer w10: RGB1.3 5025.94,2572.06 5072,2526 5072,2468.35 5111.35,2429 R1.1
NetR5_2: R5.2 RGB1.1 | length 255.5
  Top Layer w10: RGB1.1 4945.19,2439.26 4945.19,2416.81 4966.66,2395.34 5021.34,2395.34 R5.2
NetR7_2: R7.2 RGB1.2 | length 322.5
  Top Layer w10: RGB1.2 4934,2568.56 4934,2532 4953,2513 5025,2513 5045,2493 5045,2434.01 5111.35,2367.66 R7.2
NRST: *.14 C8.2 J1.8 R11.2 S1.2 | length 2470.2
  Top Layer w6: v1(6138,1864) 6138,2291 J1.8@6192,2345
  Top Layer w10: C8.2 5168.98,1622.51 S1.2 5189.49,1602 5235,1602 v1(5236,1603) 5236,1776.58 5348,1888.58 5348,2082 5331.04,2098.96 5289.1,2098.96 *.14
  Bottom Layer w6: v1(5236,1603) 5292,1603 5342,1553 5548.49,1553 5562,1566.51 5562,1651 5592,1681 6067,1681 6138,1752 v1(6138,1864)
P_IN: J1.2 V3.2 | length 633.8
  Top Layer w30: v1(5611,1657) 5611,1671 5613,1673 5611,1675 5617,1681
  Bottom Layer w30: v1(5611,1657) 6100.93,1657 J1.2
PB12: *.51 J2.5 J4.7 | length 2904
  Top Layer w6: v1(5122.1,3022.91) 5122.1,3067.1 5170,3115 5768,3115 5812,3071 J4.7 ; v1(5372.29,1926.47) 5452.53,1926.47 5496.23,1882.77 *.51
  Bottom Layer w6: J2.5@4926,2045 4993,1978 5320.76,1978 v1(5372.29,1926.47) ; J2.5 4890,2091.94 4890,2791 5121.91,3022.91 v1(5122.1,3022.91)
PB13: *.52 J2.6 J4.3 | length 2251.9
  Top Layer w6: v1(5372.5,1957.1) 5457.9,1957.1 5512.54,1902.46 *.52
  Bottom Layer w6: J2.6@4932.2,2138.8 J2.6 ; v1(5372.5,1957.1) 5332.6,1997 5084.94,1997 J2.6 ; J4.3 5411.65,3065.65 5394.65,3065.65 5352,3023 5300,3023 4902,2625 4902,2179.94 J2.6
PB14: *.53 J2.7 | length 1091
  Top Layer w6: v1(5372.08,1990.9) 5461.1,1990.9 5529.86,1922.14 *.53
  Bottom Layer w6: J2.7@4926,2245 5158.71,2012.29 5346.7,2012.29 5368.09,1990.9 v1(5372.08,1990.9)
PB15: *.54 J2.8 J4.4 | length 2219.5
  Top Layer w6: v1(5372,2024) 5464,2024 5546.17,1941.83 *.54
  Bottom Layer w6: J2.8@4926,2345 4929,2345 5041,2233 5041,2162 5178.71,2024.29 5371.71,2024.29 v1(5372,2024) ; J2.8 4943.13,2640.13 5306,3003 5355,3003 5383,3031 5431.49,3031 5471.49,3071 J4.4
PD12: *.59 J1.3 J4.5 | length 1836.7
  Top Layer w6: v1(5991.67,2606.51) 5991.67,3060.67 v1(5993,3062)
  Top Layer w10: *.59 5993.22,2040.25 6065.09,1968.39 v1(6065.88,1968.39)
  Bottom Layer w6: J4.5 5617,3079.23 5650.64,3112.87 5946.78,3112.87 5993,3066.65 v1(5993,3062) ; v1(5991.67,2606.51) 5992.23,2605.95 v1(5992.23,2037.72)
  Bottom Layer w10: v1(6065.88,1968.39) 6068.61,1968.39 J1.3@6192,1845
PD13: *.60 J1.4 J4.6 | length 1536.7
  Top Layer w6: J4.6 5786,3002 5901,3002 5949,2954 v1(5949,2605)
  Top Layer w10: *.60@5883.26,2059.95 v1(5962.64,2059.95) 6024,2059.95 6065.38,2018.57 v1(6070.31,2018.57)
  Bottom Layer w6: v1(5949,2605) 5949,2257 5962.87,2243.13 5962.87,2060.19 v1(5962.64,2059.95)
  Bottom Layer w10: v1(6070.31,2018.57) 6143.88,1945 J1.4@6192,1945
PD14: *.61 J1.5 | length 323.4
  Top Layer w10: *.61 6070.62,2079.62 v1(6071,2080)
  Bottom Layer w10: v1(6071,2080) 6157,2080 J1.5@6192,2045
SD_CD: *.81 R17.2 SD1.9 | length 710.9
  Top Layer w6: R17.2 5699.32,2596.02 5730,2565.33 5730,2504 5723.8,2497.8 *.81 5723.9,2416.14 5723.9,2264.98 v1(5724,2264.87)
  Bottom Layer w6: v1(5724,2264.87) 5724,2151 5819.95,2055.05 SD1.9
SDIO_CLK: *.80 SD1.5 | length 531.8
  Top Layer w6: v1(5743,2281) 5743.48,2281.48 *.80
  Bottom Layer w6: SD1.5 5646.73,2096.73 5702.73,2152.73 5702.73,2268.29 5716.19,2281.75 5742.25,2281.75 v1(5743,2281)
SDIO_CMD: *.83 R14.2 SD1.3 | length 650.1
  Top Layer w6: v1(5682.82,2264.87) 5683.62,2265.68 5683.62,2415.43 *.83 5684.43,2518.78 R14.2
  Bottom Layer w6: SD1.3 5560.11,2068.11 5682.82,2190.82 v1(5682.82,2264.87)
SDIO_D0: *.65 R15.2 SD1.7 | length 477.7
  Top Layer w6: v1(5737,2047.26) 5737,2134 5761.36,2158.36 *.65
  Top Layer w10: *.65 5959.31,2158.36 5994.68,2122.98 R15.2
  Bottom Layer w6: SD1.7 5733.34,2043.61 v1(5737,2047.26)
SDIO_D1: *.66 R16.2 SD1.8 | length 534
  Top Layer w6: v1(5709.71,2107.15) 5709.71,2146.71 5741.05,2178.05 *.66
  Top Layer w10: *.66 5987.73,2178.05 R16.2
  Bottom Layer w6: v1(5709.71,2107.15) 5776.65,2040.21 SD1.8
SDIO_D2: *.78 R12.2 SD1.1 | length 773.1
  Top Layer w6: v1(5783.63,2324.99) 5782.85,2325.78 *.78 5782.85,2525.17 R12.2
  Bottom Layer w6: SD1.1 5473.5,2033.5 5636,2196 5636,2264 5696.99,2324.99 v1(5783.63,2324.99)
SDIO_D3: *.79 R13.2 SD1.2 | length 813.4
  Top Layer w6: v1(5761.99,2303.59) 5761.99,2414.35 5761.63,2414.71 *.79 5763.17,2495.83 5755,2504 5755,2561.65 5789.37,2596.02 R13.2
  Bottom Layer w6: SD1.2 5516.8,2052.8 5660,2196 5660,2265.92 5697.67,2303.59 v1(5761.99,2303.59)
SPI3_MISO: *.90 FPC_MT9.4 | length 636.6
  Top Layer w6: FPC_MT9.4 5408.5,2648.5 5429,2628 5524,2628 5546.63,2605.37 *.90
SPI3_MOSI: *.91 FPC_MT9.23 | length 740.7
  Top Layer w6: *.91 5526.94,2496.94 v1(5528,2498) ; FPC_MT9.23 5782.76,2939.71 5782.76,2882.24 v1(5783,2882)
  Bottom Layer w6: v1(5528,2498) 5528,2616 5551,2639 5551,2715 5566,2730 5755,2730 5783,2758 v1(5783,2882)
SPI3_SCLK: *.89 FPC_MT9.24 | length 727.5
  Top Layer w6: *.89 5566.31,2578.32 v1(5567,2579) ; FPC_MT9.24 5802.6,2939.55 5802.6,2862.4 v1(5803,2862)
  Bottom Layer w6: v1(5567,2579) 5567,2698 5583,2714 5763,2714 5800,2751 5800,2859 v1(5803,2862)
SPI3_SSEL: *.77 FPC_MT9.1 | length 1137.8
  Top Layer w6: v1(5321,2460) 5321,2386 5360,2347 v1(5608,2347) ; v1(5341,2897) 5349.44,2905.44 FPC_MT9.1 ; v1(5802,2349) 5802.54,2349.54 *.77
  Bottom Layer w6: v1(5321,2460) 5321,2780 5349,2808 5349,2889 v1(5341,2897) ; v1(5608,2347) 5610,2349 v1(5802,2349)
SWCLK: *.76 J1.10 | length 425.5
  Top Layer w10: *.76 5950.24,2416.24 5961,2427 6078,2427 6192,2541 J1.10@6192,2545
SWDIO: *.72 J1.9 | length 434.2
  Top Layer w10: *.72 6086.16,2296.16 6099,2309 6099,2406 6138,2445 J1.9@6192,2445
  Bottom Layer w10: J1.9@6182.73,2438.59 J1.9@6182.73,2445.59
USB_DM: *.70 J3.A7 J3.B7 | length 1072.7
  Top Layer w10: J3.B7 5817.47,1666.47 5825,1674 5855,1674 5856.84,1675.84 ; J3.A7 5856.84,1675.84 ; *.70 6060.21,2256.79 6096,2221 6096,1795 5990,1689 5870,1689 5856.84,1675.84
USB_DP: *.71 J3.A6 J3.B6 | length 1180.5
  Top Layer w10: J3.A6 5837.15,1571.86 5843.01,1566 5870.66,1566 5876.52,1571.86 J3.B6 5876,1627.99 5876,1667 5882,1673 6002,1673 6116,1787 6116,2231 6070.53,2276.47 *.71
VIN: *.68 C15.1 R8.1 RGB1.4 U1.1 U1.3 U2.1 U2.3 | length 2441.6
  Top Layer w10: RGB1.4 4995.55,2456 v1(5026,2456) ; v1(5560,2210) 5561.56,2210 5568.97,2217.42 *.68
  Top Layer w20: U2.1 5087.6,2592.72 5099.31,2581 v1(5165,2581) 5162.56,2583.44 5162.56,2628.72 U2.3 ; v1(5352,2218) 5360,2210 v1(5560,2210) ; U1.3 5497.28,1589.24 v1(5535.13,1589.24) 5536.76,1589.24 5552,1574 5552,1526.31 5540.28,1514.6 U1.1 5497.12,1471.73 5518.66,1450.19 C15.1 5518.66,1434.24 5530.91,1422 R8.1
  Bottom Layer w10: v1(5026,2456) v1@5029,2459
  Bottom Layer w20: v1(5026,2456) 5166,2456 ; v1(5165,2581) 5166,2580 5166,2456 ; v1(5352,2218) 5344,2226 5344,2391 5279,2456 5166,2456 ; v1(5535.13,1589.24) 5535.13,1777.87 5445.69,1867.31 5445.69,2051.69 5561,2167 5561,2209 v1(5560,2210)
pads on no net: *.1 *.2 *.7 *.8 *.9 *.18 *.22 *.23 *.24 *.25 *.31 *.32 *.33 *.34 *.35 *.37 *.38 *.39 *.40 *.41 *.42 *.43 *.44 *.45 *.55 *.56 *.57 *.58 *.62 *.82 *.84 *.85 *.86 *.87 FPC_7725.24 FPC_7725.25 FPC_7725.26 FPC_MT9.10 FPC_MT9.25 FPC_MT9.26 J3.0 J3.1 J3.A5 J3.A8 J3.B5 J3.B8 SD1.0 SD1.11 SD1.12 SD1.13 U2.4

## Polygon pours and split planes (outlines as drawn)
GND on Bottom Layer "GND_L02_P002" (solid, pour order 2): 4870,3130 6247.95,3130 6247.95,1372.8 4870,1372.8
GND on Top Layer "GND_L01_P000" (solid, pour order 0): 4870,3130 6247.95,3130 6247.95,1372.8 4870,1372.8

## Keep-outs
Keep-Out Layer:
  circle w6: c6139.95,3022 r59.06
  circle w6: c6139.95,1480.8 r59.06
  circle w6: c4980.03,1482.2 r59.06
  circle w6: c4978,3022 r59.06
  lines w6: 4870,1372.8 4870,3130 6247.95,3130 6247.95,1372.8 4870,1372.8
  lines w11.81: 4870,1372.8 4870,3130 6247.95,3130 6247.95,1372.8 4870,1372.8

## Other copper
Top Layer:
  rectangle net 5V_IN: 5814,1492 5911,1546.95
  region net 5V_IN: 5780.02,1566.95 5815,1546.95 5815,1492 5784,1492 5784,1536 5756,1564 5756,1580 5741,1595 5741,1644
  region net 5V_IN: 5915.98,1567.95 5882,1547 5882,1492 5940,1492 5940,1561 5940,1581 5955,1596 5955,1655

## Silkscreen, mask and mechanical layers (free items; w line width, h text height)
Top Overlay:
  text "GND" at 5150.36,2978.22 h60
  text "3V3" at 5277.93,2978.22 h60
  text "P2" at 5395.36,2978.22 h60
  text "P0" at 5495.36,2978.22 h60
  text "P7" at 5595.36,2978.22 h60
  text "P8" at 5694.26,2978.22 h60
  text "P3" at 5795.36,2978.22 h60
  text "3V3" at 5882.93,2978.22 h60
Bottom Overlay:
  text "酷世DIY" at 5219,2767 h80
  text "x" at 6189,2672 h393.7
  text "CLK" at 6124,2517 h60
  text "DIO" at 6124,2417 h60
  text "P0" at 5079,2317 h60
  text "RST" at 6124,2317 h60
  text "P1" at 5079.43,2217 h60
  text "BOOT0" at 6124,2217 h60
  text "P2" at 5079.43,2117 h60
  text "3V3" at 6124,2112 h60
  text "P3" at 5079,2017 h60
  text "P9" at 6124,2017 h60
  text "P4" at 5079.43,1917 h60
  text "P8" at 6124,1917 h60
  text "P5" at 5079.43,1817 h60
  text "P7" at 6124,1817 h60
  text "P6" at 5079,1717 h60
  text "VIN" at 6124,1717 h60
  text "3V3" at 5091.43,1617 h60
  text "GND" at 6119,1617 h60

## Text inside footprints (layer, text, board x,y; h text height)
J3: Top Overlay "USB" at 5777,1482 h50